# Altium PCB radxa_cm5_io_board_v2200.PcbDoc (part 5 of 8) (continued)
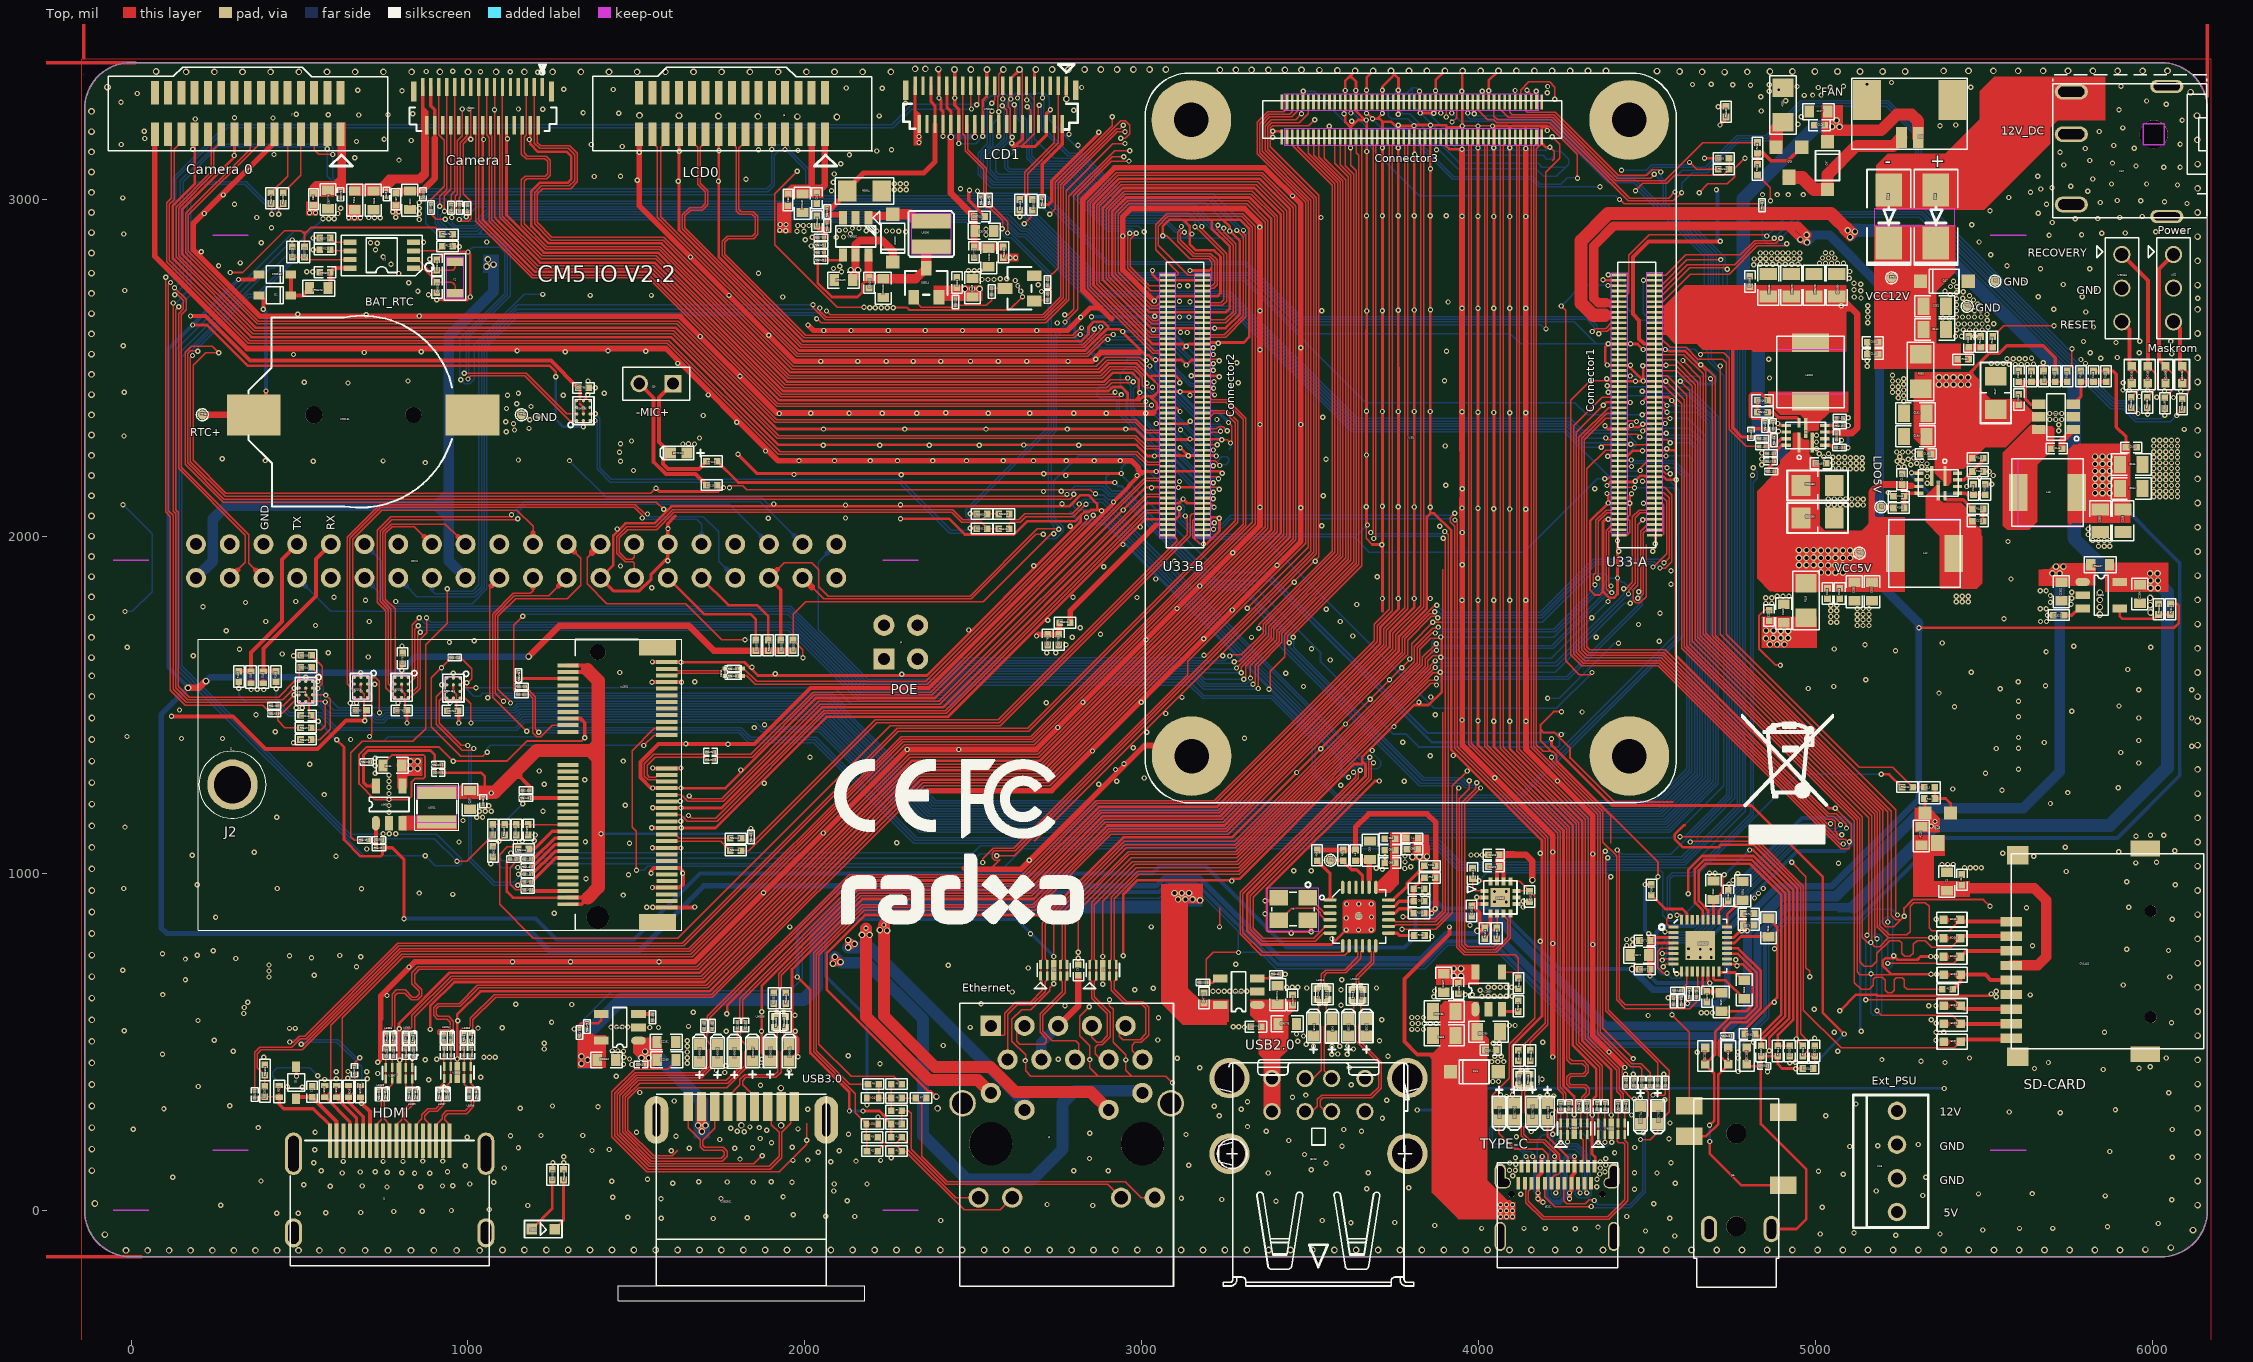
[diagram p0: Top view]
## Nets (pads, with @x,y where several pads share a name; then routed paths per layer and width w, separated by ;. In a path a pad name is that pad's centre, name@x,y a point inside that pad or via, vN(x,y) a via of type N, cw(c..) or ccw(c..) an arc to the next point about the centre after c; other vN are vias at no path point) (continued)
  Bottom w3.94: v1(989.17,2483.27) 995.08,2489.17 995.08,2594.49 1117.13,2716.54 1117.13,2845.47 1073.82,2888.78 941.31,2888.78 902.56,2927.53 902.56,2985.04 910.63,2993.11 922.05,2993.11 930.12,2985.04 v1(930.12,2964.57) 918.31,2952.76 918.31,2934.06 947.83,2904.53 1026.57,2904.53 1068.9,2946.85 2599.41,2946.85 2641.73,2904.53 2659.45,2904.53 2881.89,2682.09 3272.7,2682.09 3628.99,2325.79 4260.15,2325.79 4308.38,2277.56 4445.87,2277.56 v1(4450.79,2272.64) ; v1(4567.91,872.05) 4559.06,880.91 4559.06,986.22 4573.82,1000.98 4631.21,1000.98 4806.1,1175.87 4806.1,2175.2 v1(4812.01,2181.1)
I2C8_SDA_M2: R95471.1 R95609.1 U90136.A1 | length 2541.5
  Top w3.94: U90136.A1@1361.96,2343.08 1362.19,2343.31 v1(1377.17,2343.31) ; v1(2490.55,2066.54) 2509.84,2066.54 R95609.1@2509.84,2065.94 ; R95471.1@2546.26,2988.19 2601.18,2933.26 v1(2601.18,2900)
  Bottom w3.94: v1(1377.17,2343.31) 1383.07,2337.4 1383.07,2199.93 1422.19,2160.8 2278.96,2160.8 2430.31,2009.45 2496.26,2009.45 2504.33,2017.52 2504.33,2044.49 2490.55,2058.27 v1(2490.55,2066.54) 2490.55,2080.71 2730.31,2320.47 2730.31,2779.53 2609.84,2900 v1(2601.18,2900)
I2C8_SDA_M2_CAM: J5002.25 U33.36 U90129.32 U90136.A3 | length 7236.6
  Top w3.94: v1(916.34,2979.33) 916.34,3008.18 937.01,3028.86 J5002.25@937.01,3332.68 ; v1(1000,2466.54) 1000,2467.52 1008.86,2476.38 1168.98,2476.38 1302.28,2343.08 U90136.A3@1322.59,2343.08 ; v1(4363.19,2263.78) 4370.47,2271.06 U33.36@4415.75,2271.06 ; v1(4587.6,875) 4587.6,877.95 4597.44,877.95 4601.56,873.83 U90129.32@4601.56,861.84
  Power w3.94: v1(4363.19,2263.78) 4422.24,2263.78 4444.88,2286.42 4456.5,2286.42 4467.52,2275.39 4467.52,2252.17 4495.28,2224.41 4634.84,2224.41 4673.23,2262.8 4753.94,2262.8 v1(4813.98,2202.76)
  Bottom w3.94: v1(916.34,2979.33) 915.35,2979.33 910.43,2974.41 910.43,2930.79 944.57,2896.65 1029.84,2896.65 ; v1(1000,2466.54) 1002.95,2466.54 1002.95,2591.23 1125,2713.27 1125,2848.73 1077.08,2896.65 1042.32,2896.65 ; v1(4363.19,2263.78) 4311.02,2263.78 4256.89,2317.91 3625.73,2317.91 3269.43,2674.21 2878.63,2674.21 2656.38,2896.46 2636.02,2896.46 2593.5,2938.98 1072.16,2938.98 1039.37,2906.19 ; v1(4587.6,875) 4566.93,895.67 4566.93,982.96 4577.08,993.11 4634.48,993.11 4813.98,1172.61 4813.98,2160.43 4825.79,2172.24 4825.79,2190.94 v1(4813.98,2202.76) ; 1029.84,2896.65 1042.32,2896.65 ; 1029.84,2896.65 1033.77,2900.59 ; 1033.77,2900.59 1033.77,2899.61 1039.37,2899.61 ; 1033.77,2900.59 1039.37,2906.19 ; 1039.37,2899.61 1039.37,2906.19 ; 1039.37,2899.61 1042.32,2896.65
I2S0_LRCK_TX: U33.48 U90129.8 | length 2540.2
  Top w3.94: U33.48@4415.75,2365.55 4379.92,2365.55 4304.53,2290.16 4304.53,1663.39 4321.26,1646.65 4544.85,1646.65 5031.07,1160.43 5049.01,1160.43 5057.09,1152.36 5057.09,1124.02 5066.93,1114.17 v1(5076.77,1114.17) ; v1(4547.24,722.44) 4554.75,729.95 U90129.8@4576.96,729.95
  Bottom w3.94: v1(4547.24,722.44) 4565.94,741.14 4565.94,792.32 4574.8,801.18 4647.64,801.18 4960.63,1114.17 v1(5076.77,1114.17)
I2S0_MCLK: U33.50 U90129.2 | length 2399.9
  Top w3.94: U33.50@4415.75,2381.3 4384.53,2381.3 4296.65,2293.42 4296.65,2273.62 4296.65,1659.45 4317.32,1638.78 4541.59,1638.78 5033.72,1146.65 v1(5043.31,1146.65) ; v1(4552.17,825.79) 4552.17,824.8 4552.53,824.44 U90129.2@4576.96,824.44
  Bottom w3.94: v1(4552.17,825.79) 4552.17,824.8 4635.83,824.8 4957.68,1146.65 v1(5043.31,1146.65)
I2S0_SCLK_TX: U33.46 U90129.6 | length 2466.8
  Top w3.94: U33.46@4415.75,2349.8 4375.98,2349.8 4312.4,2286.22 4312.4,1667.32 4325.2,1654.53 4548.23,1654.53 5034.45,1168.31 5053.15,1168.31 5070.87,1150.59 5070.87,1145.67 v1(5072.83,1143.7) ; v1(4544.29,761.81) 4576.59,761.81 U90129.6@4576.96,761.44
  Bottom w3.94: v1(4544.29,761.81) 4544.29,793.31 4567.91,816.93 4639.76,816.93 4954.72,1131.89 5061.02,1131.89 v1(5072.83,1143.7)
I2S0_SDI0: U33.54 U90129.9 | length 2638.1
  Top w3.94: U33.54@4415.75,2412.8 4366.54,2412.8 4280.91,2327.17 4280.91,1651.57 4309.45,1623.03 4535.07,1623.03 5071.48,1086.61 v1(5080.71,1086.61) ; v1(4586.61,701.77) 4601.56,701.77 U90129.9@4601.56,708.29
  Bottom w3.94: v1(4586.61,701.77) 4573.82,714.57 4573.82,785.43 4581.69,793.31 4651.57,793.31 4964.57,1106.3 5061.02,1106.3 v1(5080.71,1086.61)
I2S0_SDO0: U33.34 U90129.7 | length 2412.7
  Top w3.94: U33.34@4415.75,2255.31 4375.98,2255.31 4320.28,2199.61 4320.28,1671.26 4329.13,1662.4 4552.17,1662.4 5038.39,1176.18 5059.84,1176.18 5090.55,1145.47 v1(5090.55,1133.86) ; v1(4544.29,742.13) 4547.86,745.7 U90129.7@4576.96,745.7
  Bottom w3.94: v1(4544.29,742.13) 4558.07,755.91 4558.07,795.95 4571.17,809.06 4643.7,809.06 4958.66,1124.02 5067.13,1124.02 5071.06,1127.95 5084.65,1127.95 v1(5090.55,1133.86)
LCD1_3V3: C2335.1 C90750.1 C90751.1 C90772.1 R95530.2 U90104.1 U90104.24 U90104.30 U90104.31 | length 1208.1
  Top w3.94: v2(2433.07,3185.04) v2@2433.07,3187.99
  Top w9.84: U90104.31@2421.26,3336.61 2421.26,3273.62 2433.07,3261.81 U90104.30@2433.07,3223.43 v2@2433.07,3187.99 ; v2(2503.94,3185.04) U90104.24@2503.94,3223.43 ; v2(2775.59,3297.24) U90104.1@2775.59,3336.61
  Top w19.68: v2(2433.07,3185.04) 2433.07,3017.71 C90751.1@2501.97,2948.82 C90750.1@2501.97,2905.51 ; C90750.1@2504.92,2905.51 C90750.1@2501.97,2905.51 ; C2335.1@2545.27,2854.33 C2335.1@2545.27,2858.27 ; R95530.2@2588.58,2858.27 C2335.1@2545.27,2858.27 ; C90750.1@2501.97,2905.51 C90772.1@2501.97,2858.27 C2335.1@2545.27,2858.27
  Power w11.81: v2(2433.07,3185.04) 2433.07,3249.02 2514.76,3330.71 2742.13,3330.71 v2(2775.59,3297.24)
  Bottom w15.75: v2(2433.07,3185.04) v2(2503.94,3185.04)
LCD_PWREN_H: J24.34 R95042.1 | length 1902.2
  Top w3.94: R95042.1@2719.49,2763.78 2750.98,2795.28 2750.98,3046.82 2937.43,3233.27 2950.59,3233.27 2963.58,3220.27 2963.58,3194.1 2950.59,3181.1 v1(2937.01,3181.1) ; v1(3920.28,3229.33) 3934.06,3242.13 3934.45,3242.52 J24.34@3934.45,3288.58
  Power w3.94: v1(2937.01,3181.1) 2937.99,3182.09 2965.66,3182.09 3030.62,3117.13 3497.3,3117.13 3557.34,3057.09 3884.84,3057.09 3915.35,3087.6 3915.35,3223.43 3920.77,3228.84 v1(3920.28,3229.33)
LCD_RESET_L: R95468.1 U33.41 | length 2168.3
  Top w3.94: v1(2637.8,2947.83) R95468.1@2637.8,2967.52 ; v1(4486.22,2312.01) 4492.52,2318.31 U33.41@4520.47,2318.31
  Bottom w3.94: v1(2637.8,2947.83) 2650.59,2947.83 2871.06,2727.36 3260.83,2727.36 3638.78,2349.41 4270.67,2349.41 4306.1,2313.98 4484.25,2313.98 v1(4486.22,2312.01)
MIC_IN2P: C560.2 C90084.1 ED2109.1 J15.5 R7120.1 R7313.1 R7314.2 | length 5345.9
  Top w7.87: R7120.1@1739.17,2222.44 1802.17,2159.45 v1(2919.29,2159.45) ; v1(4215.55,1398.62) 4215.55,1380.68 4395.44,1200.79 4809.06,1200.79 5020.67,989.17 5020.67,585.63 v1(5083.66,522.64) ; ED2109.1@4795.28,432.68 4795.28,427.17 4835.63,427.17 C90084.1@4836.61,428.15 ; J15.5@4868.14,-55.92 4942.11,-55.92 4971.46,-26.57 4971.46,121.06 4836.61,255.91 C90084.1@4836.61,428.15 ; v1(4939.96,419.29) v1@4939.96,420.28 ; R7314.2@4960.63,420.28 v1@4939.96,420.28 ; C90084.1@4836.61,428.15 4836.61,456.69 C560.2@4837.6,456.69 R7313.1@4886.81,456.69 4886.81,433.07 4899.61,420.28 v1@4939.96,420.28
  Bottom w7.87: v1(2919.29,2159.45) 2930.12,2148.62 2939.96,2148.62 3220.47,1868.11 3380.34,1868.11 3859.67,1388.78 4205.71,1388.78 v1(4215.55,1398.62) ; v1(4939.96,419.29) 4980.31,419.29 v1(5083.66,522.64)
MICBIAS1: C562.1 C7320.1 R7313.2 U90129.26 | length 950.1
  Top w7.87: U90129.26@4696.05,861.84 C562.1@4696.05,921.88 4699.99,921.88 4722.44,944.33 4722.44,989.17 v1(4728.35,995.08) ; v1(4803.15,1068.9) 4813.92,1068.9 4933.07,949.75 4933.07,566 4886.81,519.74 R7313.2@4886.81,488.19 C7320.1@4922.24,488.19
  Bottom w7.87: v1(4728.35,995.08) 4728.84,994.59 v1(4803.15,1068.9)
MIPI_CAM2_PDN_L: R814.1 U33.47 | length 3877.4
  Top w3.94: R814.1@949.8,2964.57 951.77,2964.57 v1(951.77,2945.87) ; v1(4484.25,2360.24) 4484.25,2361.91 4487.89,2365.55 U33.47@4520.47,2365.55
  Bottom w3.94: v1(951.77,2945.87) 951.77,2932.09 962.6,2921.26 1019.69,2921.26 1061.02,2962.6 2647.33,2962.6 2851.07,2758.86 3302.17,2758.86 3664.37,2396.65 4284.45,2396.65 4320.87,2360.24 v1(4484.25,2360.24)
MIPI_CAM2_RST_L: R95580.1 U33.38 | length 3847.5
  Top w3.94: R95580.1@889.76,2965.55 889.76,2956.69 905.51,2940.94 v1(932.09,2940.94) ; v1(4375.98,2291.34) 4380.51,2286.81 U33.38@4415.75,2286.81
  Bottom w3.94: v1(932.09,2940.94) 931.59,2940.45 958.66,2913.39 1023.62,2913.39 1064.96,2954.72 2603.35,2954.72 2645.67,2912.4 2663.08,2912.4 2863.86,2711.61 3254.3,2711.61 3632.26,2333.66 4263.78,2333.66 4306.1,2291.34 v1(4375.98,2291.34)
MIPI_CSI0_RX_CLK0N: J7.8 U33.140 | length 3569.4
  Top w3.94: J7.8@346.46,3192.91 346.46,3169.29 353.35,3162.4 353.35,3148.62 162.4,2957.68 162.4,2841.54 374.02,2629.92 1620.08,2629.92 1912.4,2337.6 2980.31,2337.6 3010.83,2307.09 3051.18,2307.09 3055.71,2302.56 U33.140@3075.2,2302.56
MIPI_CSI0_RX_CLK0P: J7.7 U33.142 | length 3563.1
  Top w3.94: J7.7@385.83,3192.91 385.83,3169.78 170.28,2954.23 170.28,2844.98 377.46,2637.8 1624.02,2637.8 1916.34,2345.47 2983.58,2345.47 3014.09,2314.96 3052.17,2314.96 3055.51,2318.31 U33.142@3075.2,2318.31
MIPI_CSI0_RX_D0N: J7.14 U33.128 | length 3608
  Top w3.94: J7.14@110.24,3192.91 110.24,3169.29 120.08,3159.45 120.08,3002.95 106.3,2989.17 106.3,2814.96 348.43,2572.83 1591.54,2572.83 1921.26,2243.11 2982.28,2243.11 3013.78,2211.61 3051.18,2211.61 3054.72,2208.07 U33.128@3075.2,2208.07
MIPI_CSI0_RX_D0P: J7.13 U33.130 | length 3599.8
  Top w3.94: J7.13@149.61,3192.91 149.61,3170.28 127.95,3148.62 127.95,2998.76 114.17,2984.98 114.17,2818.9 352.36,2580.71 1596.46,2580.71 1926.18,2250.98 2985.54,2250.98 3017.04,2219.49 3052.17,2219.49 3056.5,2223.82 U33.130@3075.2,2223.82
MIPI_CSI0_RX_D1N: J7.11 U33.134 | length 3590.3
  Top w3.94: J7.11@228.35,3192.91 228.35,3169.29 238.19,3159.45 238.19,3081.16 133.86,2976.83 133.86,2828.74 361.22,2601.38 1607.28,2601.38 1918.31,2290.35 2978.88,2290.35 3010.38,2258.86 3052.17,2258.86 3055.71,2255.31 U33.134@3075.2,2255.31
MIPI_CSI0_RX_D1P: J7.10 U33.136 | length 3582.1
  Top w3.94: J7.10@267.72,3192.91 267.72,3170.28 246.06,3148.62 246.06,3077.9 141.73,2973.57 141.73,2832.68 365.16,2609.25 1611.22,2609.25 1922.24,2298.23 2982.14,2298.23 3013.64,2266.73 3051.18,2266.73 3055.51,2271.06 U33.136@3075.2,2271.06
MIPI_DPHY0_RX_CLKN: J5002.17 U33.127 | length 2923.4
  Top w3.94: J5002.17@1031.49,3332.68 1031.49,2937.01 1193.89,2774.61 1538.46,2774.61 1919.37,2393.7 3005.91,2393.7 v1(3011.81,2399.61) ; U33.127@3179.13,2208.07 3179.13,2208.66 v1(3211.61,2208.66)
  Bottom w3.94: v1(3011.81,2399.61) 3014.76,2396.65 3014.76,2383.07 3183.27,2214.57 3205.71,2214.57 v1(3211.61,2208.66)
MIPI_DPHY0_RX_CLKP: J5002.18 U33.129 | length 2928
  Top w3.94: J5002.18@1019.68,3219.5 1019.68,3195.87 1022.64,3192.91 1022.64,2934.06 1189.96,2766.73 1535.2,2766.73 1916.11,2385.83 3025.59,2385.83 v1(3028.54,2388.78) ; U33.129@3179.13,2223.82 3217.13,2223.82 v1(3231.3,2209.65)
  Bottom w3.94: v1(3028.54,2388.78) 3028.54,2380.91 3187.01,2222.44 3224.41,2222.44 3237.2,2235.24 3251.97,2235.24 3256.89,2230.31 3256.89,2220.47 3249.02,2212.6 3234.25,2212.6 v1(3231.3,2209.65)
MIPI_DPHY0_RX_D0N: J5002.14 U33.115 | length 2954.4
  Top w3.94: J5002.14@1066.93,3219.5 1066.93,3190.94 1070.87,3187.01 1070.87,2938.98 1207.68,2802.17 1549.88,2802.17 1930.78,2421.26 2914.37,2421.26 v1(2920.28,2427.17) ; U33.115@3179.13,2113.58 3179.13,2111.61 3199.61,2111.61 v1(3211.61,2111.22)
  Bottom w3.94: v1(2920.28,2427.17) 2904.53,2442.91 2875,2442.91 2867.13,2435.04 2867.13,2417.32 2875,2409.45 2919.29,2409.45 2925.2,2403.54 2925.2,2370.08 3178.15,2117.13 3205.71,2117.13 v1(3211.61,2111.22)
MIPI_DPHY0_RX_D0P: J5002.15 U33.117 | length 2963.7
  Top w3.94: J5002.15@1056.1,3332.68 J5002.15@1055.12,3332.68 1055.12,3190.94 1062.99,3183.08 1062.99,2935.04 1203.74,2794.29 1546.62,2794.29 1927.52,2413.39 2932.09,2413.39 v1(2938.98,2420.28) ; U33.117@3179.13,2129.33 3179.13,2130.91 v1(3211.61,2130.91)
  Bottom w3.94: v1(2938.98,2420.28) 2933.07,2414.37 2933.07,2374.02 3182.09,2125 3205.71,2125 v1(3211.61,2130.91)
MIPI_DPHY0_RX_D1N: J5002.11 U33.121 | length 2922.6
  Top w3.94: J5002.11@1102.36,3332.68 1102.36,2949.8 1220.47,2831.69 1559.33,2831.69 1942.2,2448.82 2891.73,2448.82 2906.5,2463.58 2957.68,2463.58 v1(2957.68,2469.49) ; U33.121@3179.13,2160.83 3209.25,2160.83 v1(3211.61,2158.46)
  Bottom w3.94: v1(2957.68,2469.49) 2957.68,2455.71 2966.54,2446.85 2966.54,2377.64 3179.81,2164.37 3205.71,2164.37 v1(3211.61,2158.46)
MIPI_DPHY0_RX_D1P: J5002.12 U33.123 | length 2929.8
  Top w3.94: J5002.12@1090.55,3219.5 1090.55,3195.87 1094.49,3191.93 1094.49,2945.87 1217.52,2822.83 1557.05,2822.83 1938.94,2440.94 2895.67,2440.94 2910.43,2455.71 2971.46,2455.71 v1(2974.41,2458.66) ; U33.123@3179.13,2176.57 3221.06,2176.57 v1(3227.36,2170.28)
  Bottom w3.94: v1(2974.41,2458.66) 2971.46,2461.61 2971.46,2483.27 2977.36,2489.17 2987.2,2489.17 2993.11,2483.27 2993.11,2448.82 2988.19,2443.9 2980.31,2443.9 2974.41,2437.99 2974.41,2380.91 3183.07,2172.24 3225.39,2172.24 v1(3227.36,2170.28)
MIPI_DPHY0_RX_D2N: J5002.5 U33.133 | length 2937.1
  Top w3.94: J5002.5@1173.23,3332.68 1173.23,3190.95 1166.34,3184.06 1166.34,3137.8 1176.18,3127.95 1232.28,3127.95 1244.09,3116.14 1244.09,3071.85 1233.27,3061.02 1174.21,3061.02 1166.34,3053.15 1166.34,2927.16 1234.25,2859.25 1570.74,2859.25 1953.61,2476.38 2877.95,2476.38 2904.53,2502.95 2980.31,2502.95 3008.86,2474.41 3008.86,2459.65 v1(3014.76,2453.74) ; U33.133@3179.13,2255.31 3179.13,2255.91 v1(3211.61,2255.91)
  Bottom w3.94: v1(3014.76,2453.74) 3017.72,2450.79 3017.72,2434.06 3195.87,2255.91 v1(3211.61,2255.91)
MIPI_DPHY0_RX_D2P: J5002.6 U33.135 | length 2960.7
  Top w3.94: J5002.6@1161.42,3219.5 1161.42,3195.87 1158.46,3192.91 1158.46,3133.86 1172.24,3120.08 1228.35,3120.08 1236.22,3112.2 1236.22,3075.79 1229.33,3068.9 1170.28,3068.9 1158.46,3057.09 1158.46,2923.23 1230.31,2851.38 1567.48,2851.38 1950.35,2468.5 2881.89,2468.5 2908.46,2495.08 2977.05,2495.08 3000.98,2471.15 3000.98,2448.03 3009.06,2439.96 3029.53,2439.96 v1(3031.5,2441.93) ; U33.135@3179.13,2271.06 3223.43,2271.06 v1(3223.43,2271.65)
  Bottom w3.94: v1(3031.5,2441.93) 3028.54,2438.98 3028.54,2434.36 3189.96,2272.95 3203.43,2272.95 3208.35,2277.87 3208.35,2284.76 3203.43,2289.68 3186.7,2289.68 3180.12,2296.26 3180.12,2304.13 3185.04,2309.06 3204.42,2309.06 3223.43,2290.05 v1(3223.43,2271.65)
MIPI_DPHY0_RX_D3N: J5002.2 U33.139 | length 2983.2
  Top w3.94: J5002.2@1208.66,3219.5 1208.66,3195.87 1205.71,3192.91 1205.71,3168.31 1215.55,3158.46 1302.17,3158.46 1324.8,3135.83 1324.8,3051.18 1305.12,3031.5 1221.46,3031.5 1205.71,3015.75 1205.71,2931.1 1249.01,2887.8 1581.17,2887.8 1965.03,2503.94 2864.17,2503.94 2890.75,2530.51 2993.11,2530.51 3001.97,2521.65 v1(3012.8,2521.65) ; U33.139@3179.13,2302.56 3200.2,2302.56 3206.69,2309.06 3231.3,2309.06 v1(3233.27,2311.02)
  Bottom w3.94: v1(3012.8,2521.65) 3005.91,2528.54 2959.65,2528.54 2954.72,2523.62 2954.72,2515.75 2960.63,2509.84 2999.02,2509.84 3184.06,2324.8 3227.36,2324.8 3233.27,2318.9 v1(3233.27,2311.02)
MIPI_DPHY0_RX_D3P: J5002.3 U33.141 | length 3025.2
  Top w3.94: J5002.3@1198.82,3332.68 J5002.3@1196.85,3332.68 1196.85,3166.03 1212.29,3150.59 1298.23,3150.59 1316.25,3132.57 1316.25,3054.44 1301.18,3039.37 1217.52,3039.37 1197.83,3019.68 1197.83,2927.16 1246.06,2878.94 1578.89,2878.94 1961.77,2496.06 2869.8,2496.06 2896.37,2522.64 2989.17,2522.64 3006.89,2504.92 v1(3023.62,2504.92) ; U33.141@3179.13,2318.31 3220.87,2318.31 3227.36,2324.8 3241.14,2324.8 v1(3252.95,2312.99)
  Bottom w3.94: v1(3023.62,2504.92) 3021.65,2504.92 3021.65,2499.02 3187.99,2332.68 3231.1,2332.68 v1@3247.05,2316.73 ; v1@3247.05,2316.71 v1(3252.95,2312.99)
MIPI_DPHY0_TX_CLKN: J6.11 U33.169 | length 2195.5
  Top w3.94: J6.11@1665.35,3192.91 1665.35,3169.29 1681.1,3153.54 1681.1,3044.29 1703.74,3021.65 1703.74,2987.2 1691.93,2975.39 1657.48,2975.39 1635.83,2953.74 1635.83,2912.2 1987.01,2561.02 2827.48,2561.02 2877.95,2611.5 v1(2877.95,2621.06) ; U33.169@3179.13,2538.78 3179.13,2539.37 v1(3211.61,2539.37)
  Bottom w3.94: v1(2877.95,2621.06) 2883.86,2626.97 3153.54,2626.97 3172.24,2608.27 3172.24,2562.01 3188.98,2545.28 3205.71,2545.28 v1(3211.61,2539.37)
MIPI_DPHY0_TX_CLKP: J6.10 U33.171 | length 2189.1
  Top w3.94: J6.10@1704.72,3192.91 1704.72,3169.29 1688.98,3153.54 1688.98,3047.55 1711.61,3024.91 1711.61,2983.27 1695.87,2967.52 1660.74,2967.52 1643.7,2950.48 1643.7,2915.46 1990.27,2568.9 2824.21,2568.9 2858.27,2602.95 v1(2858.27,2614.17) ; U33.171@3179.13,2554.53 3207.09,2554.53 v1(3211.61,2559.06)
  Bottom w3.94: v1(2858.27,2614.17) 2859.25,2615.16 2859.25,2621.85 2872.25,2634.84 3157.48,2634.84 3180.12,2612.2 3180.12,2565.94 3192.91,2553.15 3205.71,2553.15 v1(3211.61,2559.06)
MIPI_DPHY0_TX_D0N: J6.8 U33.157 | length 2158.9
  Top w3.94: J6.8@1783.46,3192.91 1783.46,3167.32 1796.26,3154.53 1796.26,2966.54 1807.09,2955.71 1842.52,2955.71 1852.36,2945.87 1852.36,2899.61 1843.5,2890.75 1769.69,2890.75 1753.94,2875 1753.94,2833.07 1998.42,2588.58 2798.62,2588.58 2808.46,2598.43 v1(2816.93,2598.43) ; U33.157@3179.13,2444.29 3207.28,2444.29 v1(3212.6,2438.98)
  Bottom w3.94: v1(2816.93,2598.43) 2828.74,2598.43 2875.98,2551.18 3036.42,2551.18 3142.72,2444.88 3206.69,2444.88 v1(3212.6,2438.98)
MIPI_DPHY0_TX_D0P: J6.7 U33.159 | length 2159.9
  Top w3.94: J6.7@1822.83,3192.91 1822.83,3169.29 1804.13,3150.59 1804.13,2969.8 1810.35,2963.58 1846.46,2963.58 1860.24,2949.8 1860.24,2895.67 1847.44,2882.87 1772.95,2882.87 1761.81,2871.74 1761.81,2836.61 2001.97,2596.46 2795.28,2596.46 2817.98,2619.16 2819.81,2619.16 v1(2820.87,2618.11) ; U33.159@3179.13,2460.04 3212.2,2460.04 v1(3213.58,2458.66)
  Bottom w3.94: v1(2820.87,2618.11) 2879.92,2559.06 3040.35,2559.06 3146.65,2452.76 3207.68,2452.76 v1(3213.58,2458.66)
MIPI_DPHY0_TX_D1N: J6.14 U33.163 | length 2164.7
  Top w3.94: J6.14@1547.24,3192.91 1547.24,3168.31 1562.01,3153.54 1562.01,2947.05 1975.59,2533.46 2839.57,2533.46 2889.76,2583.66 v1(2898.62,2583.66) ; U33.163@3179.13,2491.54 3211.61,2491.54 v1(3211.61,2492.13)
  Bottom w3.94: v1(2898.62,2583.66) 3079.72,2583.66 3165.35,2498.03 3205.71,2498.03 v1(3211.61,2492.13)
MIPI_DPHY0_TX_D1P: J6.13 U33.165 | length 2157.8
  Top w3.94: J6.13@1586.61,3192.91 1586.61,3168.31 1571.85,3153.54 1571.85,2948.34 1978.85,2541.34 2835.63,2541.34 2892.72,2598.43 v1(2914.37,2598.43) ; U33.165@3179.13,2507.28 3207.09,2507.28 v1(3211.61,2511.81)
  Bottom w3.94: v1(2914.37,2598.43) 2921.26,2591.54 3082.99,2591.54 3168.62,2505.91 3205.71,2505.91 v1(3211.61,2511.81)
MIPI_DPHY1_TX_CLKN: U33.187 U90104.13 | length 1251.5
  Top w3.94: v1(2630.91,3300.2) 2633.86,3303.15 U90104.13@2633.86,3336.61 ; v1(3177.17,2919.29) 3177.17,2912.4 3250.98,2838.58 3250.98,2697.83 3238.19,2685.04 3202.76,2685.04 3198.23,2680.51 U33.187@3179.13,2680.51
  Bottom w3.94: v1(2630.91,3300.2) 2629.85,3299.14 2636.81,3292.18 2636.81,3244.46 2648.62,3232.65 2648.62,3170.28 2601.38,3123.03 2601.38,3096.77 2608.58,3089.57 2791.71,3089.57 2921.63,2959.65 3140.75,2959.65 3177.17,2923.23 v1(3177.17,2919.29)
MIPI_DPHY1_TX_CLKP: U33.189 U90104.14 | length 1237.9
  Top w3.94: v1(2621.06,3280.51) 2622.05,3279.53 U90104.14@2622.05,3223.43 ; v1(3157.48,2918.31) 3180.12,2897.64 3243.11,2834.65 3243.11,2701.77 3234.25,2692.91 3202.76,2692.91 3199.41,2696.26 U33.189@3179.13,2696.26
  Bottom w3.94: v1(2621.06,3280.51) 2628.94,3272.64 2628.94,3241.2 2640.75,3229.39 2640.75,3174.21 2593.5,3126.97 2593.5,3093.5 2605.31,3081.69 2788.44,3081.69 2918.37,2951.77 3136.81,2951.77 3157.48,2931.1 v1(3157.48,2918.31)
MIPI_DPHY1_TX_D0N: U33.175 U90104.7 | length 1260.9
  Top w3.94: v1(2704.72,3301.18) U90104.7@2704.72,3336.61 ; U33.175@3179.13,2586.02 3197.64,2586.02 3202.17,2590.55 3248.03,2590.55 3308.07,2650.59 3308.07,2892.72 3301.18,2899.61 v1(3301.18,2907.48)
  Bottom w3.94: v1(2704.72,3301.18) 2705.71,3301.18 2708.66,3298.23 2708.66,3211.92 2783.77,3136.81 2812.99,3136.81 2942.91,3006.89 3201.77,3006.89 v1(3301.18,2907.48)
MIPI_DPHY1_TX_D0P: U33.177 U90104.8 | length 1244.7
  Top w3.94: U90104.8@2692.91,3223.43 2692.91,3276.57 v1(2694.88,3278.54) ; U33.177@3179.13,2601.77 3199.8,2601.77 3203.15,2598.43 3244.09,2598.43 3300.2,2654.53 3300.2,2888.78 v1(3281.5,2907.48)
  Bottom w3.94: v1(2694.88,3278.54) 2700.79,3272.64 2700.79,3208.66 2780.51,3128.94 2809.36,3128.94 2821.84,3116.47 2822.2,3116.47 2939.65,2999.02 3197.83,2999.02 3281.5,2915.35 v1(3281.5,2907.48)
MIPI_DPHY1_TX_D1N: U33.181 U90104.10 | length 1254.3
  Top w3.94: v1(2659.45,3274.61) 2669.29,3264.76 U90104.10@2669.29,3223.43 ; U33.181@3179.13,2633.27 3249.41,2633.27 3278.54,2662.4 3278.54,2868.11 3243.11,2903.54 v1(3243.11,2914.37)
  Bottom w3.94: v1(2659.45,3274.61) 2665.35,3268.7 2665.35,3125.31 2685.35,3105.31 2798.23,3105.31 2928.15,2975.39 3153.54,2975.39 3219.49,2909.45 3238.19,2909.45 v1(3243.11,2914.37)
MIPI_DPHY1_TX_D1P: U33.183 U90104.11 | length 1239.2
  Top w3.94: U90104.11@2657.48,3336.61 2658.46,3336.61 v1(2658.46,3294.29) ; U33.183@3179.13,2649.02 3199.8,2649.02 3207.09,2641.73 3246.06,2641.73 3270.67,2666.34 3270.67,2864.17 3222.44,2912.4 3222.44,2923.23 v1(3225.39,2923.23)
  Bottom w3.94: v1(2658.46,3294.29) 2662.4,3294.29 2673.23,3283.46 2673.23,3128.57 2688.61,3113.19 2802.17,3113.19 2932.09,2983.27 3157.48,2983.27 3217.52,2923.23 v1(3225.39,2923.23)
MIPI_DPHY1_TX_D2N: U33.193 U90104.16 | length 1227.8
  Top w3.94: v1(2585.63,3277.56) 2598.43,3264.76 U90104.16@2598.43,3223.43 ; v1(3125.98,2901.57) 3119.09,2901.57 3114.17,2896.65 3114.17,2879.92 3155.51,2838.58 3204.72,2838.58 3223.43,2819.88 3223.43,2746.06 3212.6,2735.24 3205.71,2735.24 3198.23,2727.76 U33.193@3179.13,2727.76
  Bottom w3.94: v1@2584.65,3278.54 v1(2585.63,3277.56) 2591.54,3271.65 2591.54,3181.47 2541.34,3131.27 2541.34,3084.65 2567.91,3058.07 2778.66,3058.07 2908.58,2928.15 3071.85,2928.15 3098.43,2901.57 v1(3125.98,2901.57)
MIPI_DPHY1_TX_D2P: U33.195 U90104.17 | length 1211.7
  Top w3.94: v1(2586.61,3297.24) U90104.17@2586.61,3336.61 ; v1(3117.13,2919.29) 3117.13,2912.4 3106.3,2901.57 3106.3,2875.98 3151.57,2830.71 3200.79,2830.71 3215.55,2815.94 3215.55,2750 3209.06,2743.5 U33.195@3179.13,2743.5
  Bottom w3.94: v1(2586.61,3297.24) 2599.41,3284.45 2599.41,3178.21 2549.21,3128.01 2549.21,3087.91 2571.17,3065.94 2781.92,3065.94 2911.84,2936.02 3075.79,2936.02 3102.36,2909.45 3114.17,2909.45 3117.13,2912.4 v1(3117.13,2919.29)
MIPI_DPHY1_TX_D3N: U33.194 U90104.19 | length 1058.4
  Top w3.94: v1(2554.13,3284.45) 2562.99,3293.31 U90104.19@2562.99,3336.61 ; v1(2963.58,2898.62) 2962.6,2899.61 2957.68,2894.68 2957.68,2795.67 3025.59,2727.76 U33.194@3075.2,2727.76
  Bottom w3.94: v1(2554.13,3284.45) 2541.34,3271.65 2541.34,3164.68 2513.78,3137.12 2513.78,3074.19 2553.52,3034.45 2768.87,3034.45 2898.8,2904.53 2957.68,2904.53 v1(2963.58,2898.62)
MIPI_DPHY1_TX_D3P: U33.196 U90104.20 | length 1013
  Top w3.94: U90104.20@2551.18,3223.43 2550.2,3223.43 2550.2,3255.91 v1(2555.12,3260.83) ; v1(2983.27,2898.62) 2965.55,2880.91 2965.55,2798.93 3020.98,2743.5 U33.196@3075.2,2743.5
  Bottom w3.94: v1(2555.12,3260.83) 2549.21,3254.92 2549.21,3161.42 2521.65,3133.86 2521.65,3077.45 2556.78,3042.32 2772.14,3042.32 2902.06,2912.4 2969.49,2912.4 v1(2983.27,2898.62)
N05021: C3.2 J3.4 J3.5 | length 295.1
  Top w19.68: J3.5@2751.39,547.01 2811.23,606.85 C3.2@2811.23,696.61
  Bottom w31.5: J3.4@2701.39,447.01 2701.39,497.01 J3.5@2751.39,547.01
N05653: D4.2 R5.2 R6.2 R8.2 R9.1 | length 161.7
  Top w3.94: R6.2@2218.5,374.02 D4.2@2218.5,332.68 2218.5,335.63 2221.46,332.68 R8.2@2255.91,332.68 ; R9.1@2255.91,295.28 R8.2@2255.91,332.68 ; R5.2@2255.91,374.02 R8.2@2255.91,332.68
N07070: CN14A1.5 ED12.1 R11.2 | length 209.3
  Top w11.81: R11.2@5406.5,655.51 5429.13,678.15 5429.13,698.43 ED12.1@5429.53,698.82 5502.95,698.82 5518.7,683.07 CN14A1.5@5579.5,683.07
N07124: CN14A1.9 ED9.1 R4203.1 R90334.2 | length 3910
  Top w3.94: v1(4464.57,3025.59) 4486.22,3047.24 4557.09,3047.24 4581.69,3071.85 4725.39,3071.85 R90334.2@4742.13,3088.58 R4203.1@4742.13,3122.05 ; v1(4596.46,1108.27) 4816.31,1108.27 4962.6,961.98 4962.6,593.5 5074.8,481.3 5410.83,481.3 ED9.1@5429.53,500
  Top w11.81: ED9.1@5429.53,500 5436.12,506.59 5579.5,506.59 CN14A1.9@5579.5,509.84
  Bottom w3.94: v1(4464.57,3025.59) 4473.48,3025.59 4668.31,2830.77 4668.31,2671.94 4735.24,2605.01 4735.24,1232.65 4610.85,1108.27 v1(4596.46,1108.27)
N28976: C84.1 C87.1 C88.1 L4.2 U17.19
N29602: C89.1 R94.2 R97.2 U17.17 | length 168.6
  Top w9.84: U17.17@3731.49,900.88 3748.03,900.88 3763.49,916.34 C89.1@3806.1,916.34
  Top w11.81: C89.1@3806.1,916.34 R97.2@3806.1,953.74 3806.1,954.79 3805.05,954.79 3837.53,987.27 3838.58,987.27 R94.2@3838.58,986.22
N29722: U17.3 Y1.1 | length 85.2
  Top w3.94: Y1.1@3492.14,927.17 3496.08,927.17 3542.06,881.2 U17.3@3558.26,881.2
N29870: U17.4 Y1.3 | length 194.1
  Top w3.94: Y1.3@3405.52,860.25 3426.84,860.25 3431.11,881.9 3444.88,895.67 3516.26,895.67 3529.53,882.4 3529.53,875.98 3544,861.51 U17.4@3558.26,861.51
N29956: R102.1 U17.13 | length 79.6
  Top w9.84: U17.13@3731.49,822.14 3757.58,822.14 3764.76,814.96 R102.1@3808.07,814.96
N42094: R147.1 U27.8 | length 102
  Top w9.84: U27.8@5382.88,2120.08 5382.87,2113.19 5387.8,2108.27 5437.01,2108.27 R147.1@5464.57,2080.71
N42102: C129.1 R147.2 | length 36.4
  Top w9.84: C129.1@5496.06,2044.29 R147.2@5496.06,2080.71
N42228: C129.2 L12.1 U27.7 | length 830.6
  Top w9.84: 5329.72,2044.29 5329.72,2118.11 5363.19,2151.57 U27.7@5363.19,2135.83 5363.19,2107.28 5375.98,2094.49 5430.12,2094.49 5442.91,2081.69 5442.91,2065.94 C129.2@5464.57,2044.29 5464.57,2023.62 5489.17,1999.02 5489.17,1862.2 5475.39,1848.43 5372.05,1848.43 5371.06,1849.41 5371.06,2002.95 5329.72,2044.29
N42868: R149.1 R152.2 U27.11 | length 108.2
  Top w9.84: U27.11@5420.28,2167.32 5439.96,2167.32 R152.2@5464.57,2191.93 5464.57,2192.39 5464.11,2192.39 5496.52,2224.8 5496.52,2230.84 5496.06,2230.84 R149.1@5496.06,2231.3